# Altium PCB MB1936.PcbDoc (part 11 of 13)
Units mm, origin at the board's own origin, x right, y up, seen from the top; angles counter-clockwise.
Board outline 172 x 137 mm, 6 copper layers (Top Layer, Signal Layer 1, Signal Layer 2, Signal Layer 3, Signal Layer 4, Bottom Layer), stack 1.549 mm thick; 859 components, 672 nets, 3477 pads, 2222 vias.
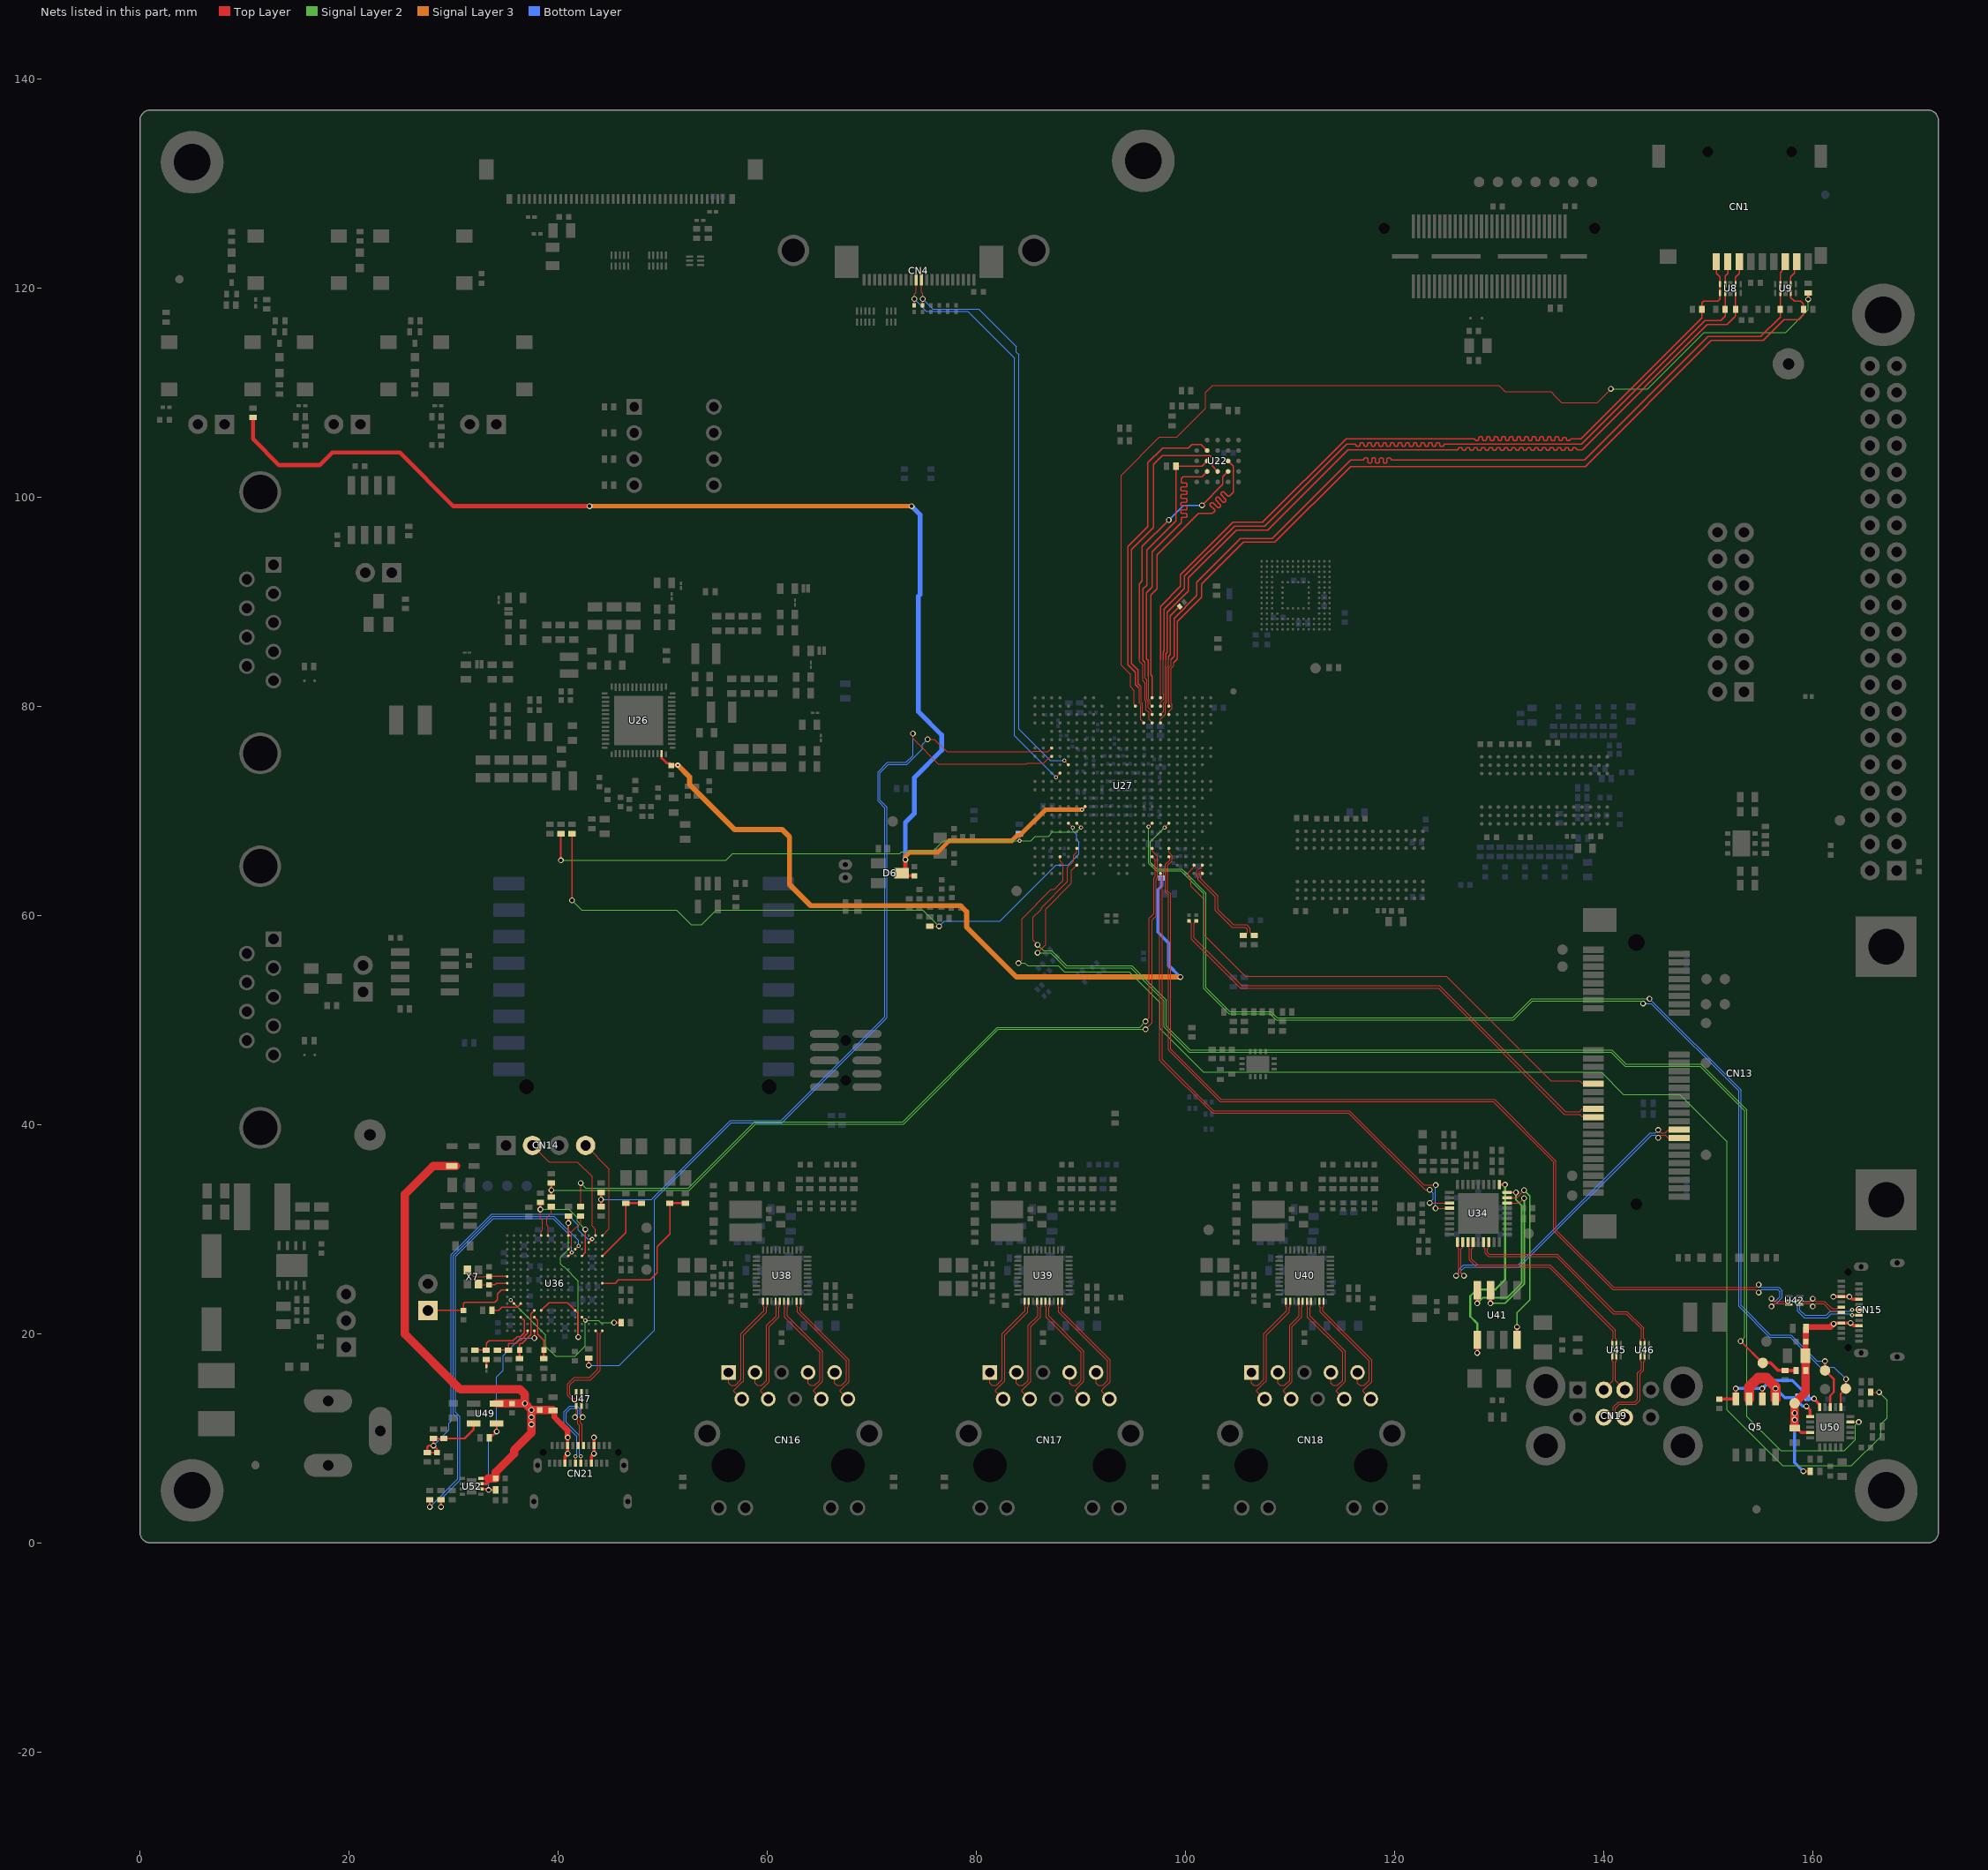
[diagram p15: the nets of this part, all layers, seen from the top]

## Via types
v1: diameter 0.55, hole 0.35, Top Layer to Bottom Layer, 1661 vias
v2: diameter 0.4, hole 0.2, Top Layer to Bottom Layer, tented both sides, 253 vias
v3: diameter 0.5, hole 0.2, Top Layer to Bottom Layer, 157 vias
v4: diameter 0.5, hole 0.25, Top Layer to Bottom Layer, 145 vias
v5: diameter 0.4, hole 0.2, Top Layer to Bottom Layer, 6 vias

## Nets (pads, with @x,y where several pads share a name; then routed paths per layer and width w, separated by ;. In a path a pad name is that pad's centre, name@x,y a point inside that pad or via, vN(x,y) a via of type N, cw(c..) or ccw(c..) an arc to the next point about the centre after c; other vN are vias at no path point) (continued)
PCIE.RX1_P: CN13.25 U27.AA20 | length 50.6
  Top Layer w0.09: U27.AA20@100.76,64.76 100.76,64.581 100.285,64.106 100.285,63.687 100.525,63.446 100.525,62.771 101.78,61.516 101.78,58.569 101.78,58.116 105.721,54.175 124.95,54.175 126.85,52.275 134.95,44.175 137.68,44.175 137.955,43.9 CN13.25@139,43.9
PCIE.TX1_N: C98.2 CN13.31 | length 46.9
  Top Layer w0.09: C98.2@101.025,59.45 100.8,59.225 100.8,58.84 100.8,57.825 105.35,53.275 124.275,53.275 136.325,41.225 137.68,41.225 137.918,41.463 138.963,41.463 CN13.31@139,41.5
PCIE.TX1_P: C97.2 CN13.33 | length 47.3
  Top Layer w0.09: C97.2@100.325,59.45 100.55,59.225 100.55,58.84 100.55,57.721 105.246,53.025 124.171,53.025 136.221,40.975 137.68,40.975 137.918,40.737 138.963,40.737 CN13.33@139,40.7
PCIE.USB_N: CN13.36 U34.1 | length 30.9
  Top Layer w0.1: v1(125.875,25.543) 125.918,25.543 126.14,25.765 126.14,28.11 126,28.25 U34.1@126,28.75 ; v1(145.2,39.475) 145.2,39.455 145.445,39.21 145.86,39.21 146.15,39.5 CN13.36@147.2,39.5
  Bottom Layer w0.1: v1(125.875,25.543) 126.14,25.808 126.14,26.106 126.609,26.575 131.82,26.575 144.455,39.21 144.935,39.21 v1(145.2,39.475)
PCIE.USB_P: CN13.38 U34.2 | length 30.5
  Top Layer w0.1: U34.2@126.5,28.75 126.5,28.25 126.36,28.11 126.36,25.765 126.582,25.543 v1(126.625,25.543) ; v1(145.2,38.725) 145.2,38.745 145.445,38.99 145.86,38.99 146.15,38.7 CN13.38@147.2,38.7
  Bottom Layer w0.1: v1(126.625,25.543) 126.36,25.808 126.36,26.015 126.7,26.355 129.75,26.355 131.175,26.355 131.911,26.355 144.546,38.99 144.935,38.99 v1(145.2,38.725)
PCIE_CLKOUT_N: R78.1 U27.AB21 | length 9.6
  Top Layer w0.09: U27.AB21@101.6,64 101.56,64.04 101.56,64.195 101.504,64.251 101.425,64.251 101.335,64.16 101.335,63.85 101.445,63.74 101.445,63.509 102,62.954 102.85,62.104 103.082,61.872 103.082,60.571 103.179,60.475 104.554,59.1 105.825,59.1 106.175,58.75 106.175,58.475 106.175,58.333 106.224,58.285 106.365,58.285 R78.1@106.575,58.075
PCIE_CLKOUT_P: R77.1 U27.AA21 | length 10
  Top Layer w0.09: U27.AA21@101.6,64.8 101.56,64.76 101.56,64.585 101.5,64.525 101.346,64.525 101.085,64.264 101.085,63.746 101.195,63.637 101.195,63.543 101.195,63.406 101.75,62.85 102.6,62 102.832,61.768 102.832,60.475 102.832,60.468 104.45,58.85 105.721,58.85 105.925,58.646 105.925,58.35 105.925,58.333 105.877,58.285 105.735,58.285 R77.1@105.525,58.075
PWR_CPU_ON: R60.1 R272.2 U27.T6 | length 54.9
  Top Layer w0.1: U27.T6@89.6,68.8 v2(90,68.4)
  Top Layer w0.15: v1(40.25,65.25) 40.25,67.775 R60.1@40.275,67.8
  Signal Layer 2 w0.1: v1(40.25,65.25) 56.041,65.25 56.691,65.9 72.665,65.9 72.838,66.073 75.798,66.073 76.85,67.125 81.172,67.125 v2(84.125,67.125) 85.182,67.125 85.623,67.566 86.891,67.566 87.275,67.95 89.55,67.95 v2(90,68.4)
  Bottom Layer w0.1: R272.2@84.1,67.8 84.125,67.775 v2(84.125,67.125)
PWR_ON: R61.1 R74.2 U27.T5 | length 64.1
  Top Layer w0.09: R74.2@75.55,58.95 v1(76.425,58.95)
  Top Layer w0.1: U27.T5@88.8,68.8 v2(89.2,68.4)
  Top Layer w0.15: v1(41.325,61.425) R61.1@41.325,67.8
  Signal Layer 2 w0.1: v1(41.325,61.425) 42.25,60.5 51.325,60.5 52.725,59.1 53.725,59.1 55.125,60.5 74.875,60.5 v1(76.425,58.95)
  Bottom Layer w0.1: v1(76.425,58.95) 76.925,59.45 82.251,59.45 83.276,60.475 87.601,64.8 88.761,64.8 89.805,65.844 89.805,67.006 89.6,67.211 89.6,67.696 89.2,68.095 v2(89.2,68.4)
QSPI1.CLK: U22.B2 U27.D14 | length 32.9
  Top Layer w0.09: 95.44,81.81 95.585,81.665 95.585,80.308 95.69,80.203 95.69,78.71 U27.D14@96,78.4
  Top Layer w0.11: 95.44,81.81 95.2,82.05 95.2,83.25 94.475,83.975 94.475,95.25 96.4,97.175 96.4,103.275 97.8,104.675 100.25,104.675 100.6,105.025 101.482,105.025 U22.B2@102.066,104.441
QSPI1.IO0: U22.D3 U27.C14 | length 32.8
  Top Layer w0.09: 95.63,81.97 95.765,81.835 95.765,80.383 95.87,80.278 95.87,79.361 96,79.231 U27.C14@96,79.2
  Top Layer w0.11: 95.63,81.97 95.45,82.15 95.45,83.468 94.825,84.093 94.825,84.475 94.825,94.975 96.925,97.075 96.925,103.107 97.768,103.95 102.35,103.95 102.575,103.725 102.575,102.932 U22.D3@103.066,102.441
QSPI1.IO1: U22.D2 U27.B15 | length 31
  Top Layer w0.09: 96.405,82.82 96.485,82.74 96.485,80.681 96.59,80.576 96.59,80.225 96.8,80.015 U27.B15@96.8,80
  Top Layer w0.11: 96.405,82.82 96.405,84.395 96.271,84.529 96.271,90.846 96.825,91.4 96.825,94.775 99.575,97.525 99.575,97.54 99.575,97.959 99.666,98.05 100.064,98.05 100.155,98.141 100.155,98.323 100.064,98.414 99.645,98.414 99.554,98.505 99.554,98.687 99.645,98.778 100.064,98.778 100.155,98.869 100.155,99.051 100.064,99.142 99.645,99.142 99.554,99.233 99.554,99.415 99.645,99.506 100.064,99.506 100.155,99.597 100.155,99.779 100.064,99.87 99.645,99.87 99.554,99.961 99.554,100.143 99.645,100.234 100.064,100.234 100.155,100.325 100.155,100.507 100.064,100.598 99.645,100.598 99.554,100.689 99.554,100.871 99.645,100.962 100.064,100.962 100.155,101.053 100.155,101.235 100.064,101.326 99.666,101.326 99.575,101.417 99.575,101.55 99.575,101.75 99.775,101.95 101.575,101.95 U22.D2@102.066,102.441
QSPI1.IO2: U22.C4 U27.A15 | length 31.3
  Top Layer w0.11: U27.A15@96.8,80.8 96.8,82.85 96.68,82.97 96.68,90.63 97.275,91.225 97.275,94.45 101.25,98.425 102.55,98.425 102.737,98.612 102.776,98.651 102.776,98.78 102.351,99.206 102.351,99.334 102.479,99.463 102.608,99.463 103.083,98.988 103.212,98.988 103.34,99.117 103.34,99.246 102.866,99.721 102.866,99.849 102.994,99.978 103.123,99.978 103.598,99.503 103.726,99.503 103.855,99.632 103.855,99.761 103.38,100.235 103.38,100.364 103.509,100.493 103.638,100.493 104.063,100.067 104.192,100.067 104.563,100.438 104.575,100.45 104.575,102.932 U22.C4@104.066,103.441
QSPI1.IO3: U22.D4 U27.D15 | length 29.1
  Top Layer w0.09: 95.9,82.425 96.125,82.2 96.125,80.532 96.23,80.427 96.23,79.663 96.49,79.403 96.49,78.8 96.49,78.71 U27.D15@96.8,78.4
  Top Layer w0.1: 95.575,84.475 95.575,84.3 95.9,83.975 95.9,82.425
  Top Layer w0.11: 95.575,84.475 95.575,91.689 95.85,91.964 95.85,95.25 v1@98.399,97.799 ; v1(101.575,99.2) 103.575,101.2 103.575,101.95 U22.D4@104.066,102.441
  Bottom Layer w0.11: v1(98.4,97.8) 99.8,99.2 v1(101.575,99.2)
QSPI1.NCS1: R33.1 U22.C2 U27.C15 | length 28.6
  Top Layer w0.09: 96.125,82.675 96.305,82.495 96.305,80.606 96.41,80.501 96.41,79.866 96.781,79.495 96.781,79.219 U27.C15@96.8,79.2
  Top Layer w0.1: 96.125,82.675 96.125,84.18
  Top Layer w0.11: 96.125,84.18 95.925,84.38 95.925,84.641 95.925,91.2 96.3,91.575 96.3,94.925 99.084,97.709 R33.1@99.084,102.95 101.575,102.95 U22.C2@102.066,103.441
RJ451_D1_N: CN17.2 U39.2 | length 11
  Top Layer w0.09: CN17.2@82.555,13.75 81.825,14.48 81.825,14.6 82.369,15.144 82.496,15.271 82.725,15.5 82.725,19.875 84.925,22.075 84.925,22.55 85,22.625 U39.2@85,23.1
RJ451_D1_P: CN17.1 U39.1 | length 11
  Top Layer w0.09: CN17.1@81.285,16.29 81.285,15.265 81.5,15.05 81.921,15.05 82.392,15.521 82.475,15.604 82.475,19.979 84.675,22.179 84.675,22.55 84.6,22.625 U39.1@84.6,23.1
RJ451_D2_N: CN17.4 U39.5 | length 10.4
  Top Layer w0.09: CN17.4@85.095,13.75 84.365,14.48 84.365,14.6 84.909,15.144 85.036,15.271 85.182,15.417 85.2,15.435 85.2,20.675 86.125,21.6 86.125,22.55 86.2,22.625 U39.5@86.2,23.1
RJ451_D2_P: CN17.3 U39.4 | length 10.4
  Top Layer w0.09: CN17.3@83.825,16.29 83.825,15.265 84.04,15.05 84.461,15.05 84.95,15.539 84.95,20.779 85.875,21.704 85.875,22.55 85.8,22.625 U39.4@85.8,23.1
RJ451_D3_N: CN17.8 U39.7 | length 11.4
  Top Layer w0.09: U39.7@87,23.1 87,22.625 86.925,22.55 86.925,21.679 90.275,18.329 90.275,15.43 89.989,15.144 89.445,14.6 89.445,14.48 CN17.8@90.175,13.75
RJ451_D3_P: CN17.7 U39.6 | length 11.4
  Top Layer w0.09: U39.6@86.6,23.1 86.6,22.625 86.675,22.55 86.675,21.575 90.025,18.225 90.025,15.534 89.541,15.05 89.12,15.05 88.905,15.265 CN17.7@88.905,16.29
RJ451_D4_N: CN17.10 U39.10 | length 12
  Top Layer w0.09: U39.10@88.2,23.1 88.2,22.625 88.125,22.55 88.125,22.154 91.625,18.654 92.802,17.476 92.802,15.417 92.221,14.836 91.985,14.6 91.985,14.48 CN17.10@92.715,13.75
RJ451_D4_P: CN17.9 U39.9 | length 12
  Top Layer w0.09: U39.9@87.8,23.1 87.8,22.625 87.875,22.55 87.875,22.05 92.552,17.373 92.552,15.521 92.081,15.05 91.66,15.05 91.445,15.265 CN17.9@91.445,16.29
RJ452_D1_N: CN16.2 U38.2 | length 11
  Top Layer w0.09: CN16.2@57.555,13.75 56.825,14.48 56.825,14.6 57.369,15.144 57.496,15.271 57.725,15.5 57.725,19.875 59.925,22.075 59.925,22.55 60,22.625 U38.2@60,23.1
RJ452_D1_P: CN16.1 U38.1 | length 11
  Top Layer w0.09: CN16.1@56.285,16.29 56.285,15.265 56.5,15.05 56.921,15.05 57.392,15.521 57.475,15.604 57.475,19.979 59.675,22.179 59.675,22.55 59.6,22.625 U38.1@59.6,23.1
RJ452_D2_N: CN16.4 U38.5 | length 10.4
  Top Layer w0.09: CN16.4@60.095,13.75 59.365,14.48 59.365,14.6 59.909,15.144 60.036,15.271 60.182,15.417 60.2,15.435 60.2,20.675 61.125,21.6 61.125,22.55 61.2,22.625 U38.5@61.2,23.1
RJ452_D2_P: CN16.3 U38.4 | length 10.4
  Top Layer w0.09: CN16.3@58.825,16.29 58.825,15.265 59.04,15.05 59.461,15.05 59.95,15.539 59.95,20.779 60.875,21.704 60.875,22.55 60.8,22.625 U38.4@60.8,23.1
RJ452_D3_N: CN16.8 U38.7 | length 11.4
  Top Layer w0.09: U38.7@62,23.1 62,22.625 61.925,22.55 61.925,21.679 65.275,18.329 65.275,15.43 64.989,15.144 64.445,14.6 64.445,14.48 CN16.8@65.175,13.75
RJ452_D3_P: CN16.7 U38.6 | length 11.4
  Top Layer w0.09: U38.6@61.6,23.1 61.6,22.625 61.675,22.55 61.675,21.575 65.025,18.225 65.025,15.534 64.541,15.05 64.12,15.05 63.905,15.265 CN16.7@63.905,16.29
RJ452_D4_N: CN16.10 U38.10 | length 12
  Top Layer w0.09: U38.10@63.2,23.1 63.2,22.625 63.125,22.55 63.125,22.154 66.625,18.654 67.802,17.476 67.802,15.417 67.221,14.836 66.985,14.6 66.985,14.48 CN16.10@67.715,13.75
RJ452_D4_P: CN16.9 U38.9 | length 12
  Top Layer w0.09: U38.9@62.8,23.1 62.8,22.625 62.875,22.55 62.875,22.05 67.552,17.373 67.552,15.521 67.081,15.05 66.66,15.05 66.445,15.265 CN16.9@66.445,16.29
RJ453_D1_N: CN18.2 U40.2 | length 11
  Top Layer w0.09: CN18.2@107.555,13.75 106.825,14.48 106.825,14.6 107.369,15.144 107.496,15.271 107.725,15.5 107.725,19.875 109.925,22.075 109.925,22.55 110,22.625 U40.2@110,23.1
RJ453_D1_P: CN18.1 U40.1 | length 11
  Top Layer w0.09: CN18.1@106.285,16.29 106.285,15.265 106.5,15.05 106.921,15.05 107.392,15.521 107.475,15.604 107.475,19.979 109.675,22.179 109.675,22.55 109.6,22.625 U40.1@109.6,23.1
RJ453_D2_N: CN18.4 U40.5 | length 10.4
  Top Layer w0.09: CN18.4@110.095,13.75 109.365,14.48 109.365,14.6 109.909,15.144 110.036,15.271 110.182,15.417 110.2,15.435 110.2,20.675 111.125,21.6 111.125,22.55 111.2,22.625 U40.5@111.2,23.1
RJ453_D2_P: CN18.3 U40.4 | length 10.4
  Top Layer w0.09: CN18.3@108.825,16.29 108.825,15.265 109.04,15.05 109.461,15.05 109.95,15.539 109.95,20.779 110.875,21.704 110.875,22.55 110.8,22.625 U40.4@110.8,23.1
RJ453_D3_N: CN18.8 U40.7 | length 11.4
  Top Layer w0.09: U40.7@112,23.1 112,22.625 111.925,22.55 111.925,21.679 115.275,18.329 115.275,15.43 114.989,15.144 114.445,14.6 114.445,14.48 CN18.8@115.175,13.75
RJ453_D3_P: CN18.7 U40.6 | length 11.4
  Top Layer w0.09: U40.6@111.6,23.1 111.6,22.625 111.675,22.55 111.675,21.575 115.025,18.225 115.025,15.534 114.541,15.05 114.12,15.05 113.905,15.265 CN18.7@113.905,16.29
RJ453_D4_N: CN18.10 U40.10 | length 12
  Top Layer w0.09: U40.10@113.2,23.1 113.2,22.625 113.125,22.55 113.125,22.154 116.625,18.654 117.802,17.476 117.802,15.417 117.221,14.836 116.985,14.6 116.985,14.48 CN18.10@117.715,13.75
RJ453_D4_P: CN18.9 U40.9 | length 12
  Top Layer w0.09: U40.9@112.8,23.1 112.8,22.625 112.875,22.55 112.875,22.05 117.552,17.373 117.552,15.521 117.081,15.05 116.66,15.05 116.445,15.265 CN18.9@116.445,16.29
SD.SDMMC1_CK: R247.1 U27.D16 | length 11.9
  Top Layer w0.09: 97.6,78.762 98.09,79.252 98.09,80.244 98.245,80.399 98.245,83.761 98.369,83.885 98.369,84.475
  Top Layer w0.1: U27.D16@97.6,78.4 97.6,78.762
  Top Layer w0.11: 98.369,84.475 98.369,84.744 98.55,84.925 98.55,88.65 R247.1@99.438,89.538
SD.SDMMC1_CMD: CN1.3 R12.1 U8.4 U8.7 U27.C16 | length 86.1
  Top Layer w0.09: U27.C16@97.6,79.2 97.91,79.51 97.91,80.319 98.065,80.474 98.065,83.836 98.115,83.886 98.115,84.475
  Top Layer w0.11: 98.115,84.475 98.115,85.015 98.237,85.138 98.237,88.962 100.285,91.01 100.285,92.26 104.846,96.82 107.845,96.82 115.525,104.5 125.946,104.5 126.001,104.5 126.092,104.591 126.092,104.614 126.183,104.705 126.365,104.705 126.456,104.614 126.456,104.567 126.547,104.476 126.729,104.476 126.82,104.567 126.82,104.614 126.911,104.705 127.093,104.705 127.184,104.614 127.184,104.567 127.275,104.476 127.457,104.476 127.548,104.567 127.548,104.614 127.639,104.705 127.821,104.705 127.912,104.614 127.912,104.567 128.003,104.476 128.185,104.476 128.276,104.567 128.276,104.614 128.367,104.705 128.549,104.705 128.64,104.614 128.64,104.567 128.731,104.476 128.913,104.476 129.004,104.567 129.004,104.614 129.095,104.705 129.277,104.705 129.368,104.614 129.368,104.567 129.459,104.476 129.641,104.476 129.732,104.567 129.732,104.614 129.823,104.705 130.005,104.705 130.096,104.614 130.096,104.567 130.187,104.476 130.369,104.476 130.46,104.567 130.46,104.614 130.551,104.705 130.733,104.705 130.824,104.614 130.824,104.567 130.915,104.476 131.097,104.476 131.188,104.567 131.188,104.614 131.279,104.705 131.461,104.705 131.552,104.614 131.552,104.567 131.643,104.476 131.825,104.476 131.916,104.567 131.916,104.614 132.007,104.705 132.189,104.705 132.28,104.614 132.28,104.567 132.371,104.476 132.553,104.476 132.644,104.567 132.644,104.614 132.735,104.705 132.917,104.705 133.008,104.614 133.008,104.567 133.099,104.476 133.281,104.476 133.372,104.567 133.372,104.614 133.463,104.705 133.645,104.705 133.736,104.614 133.736,104.567 133.827,104.476 134.009,104.476 134.1,104.567 134.1,104.614 134.191,104.705 134.373,104.705 134.464,104.614 134.464,104.567 134.555,104.476 134.737,104.476 134.828,104.567 134.828,104.614 134.919,104.705 135.101,104.705 135.192,104.614 135.192,104.567 135.283,104.476 135.465,104.476 135.556,104.567 135.556,104.614 135.647,104.705 135.829,104.705 135.92,104.614 135.92,104.567 136.011,104.476 136.193,104.476 136.284,104.567 136.284,104.614 136.375,104.705 136.557,104.705 136.648,104.614 136.648,104.567 136.739,104.476 136.921,104.476 137.012,104.567 137.012,104.611 137.103,104.702 137.285,104.702 137.376,104.611 137.376,104.591 137.467,104.5 137.7,104.5 137.925,104.5 149.9,116.475 151.8,116.475 152.6,117.275 R12.1@152.6,117.95 U8.4@152.6,119.52 U8.7@152.6,120.34 152.6,121.02 152.95,121.37 CN1.3@152.95,122.5
SD.SDMMC1_D0: CN1.7 R14.1 U9.2 U9.9 U27.B17 | length 87.4
  Top Layer w0.09: U27.B17@98.4,80 98.4,80.3 98.425,80.325 98.425,83.687 98.623,83.885 98.623,84.473
  Top Layer w0.11: 98.625,84.475 98.9,84.75 98.9,88.4 101.081,90.581 101.081,91.856 105.25,96.025 108.3,96.025 115.8,103.525 116.913,103.525 116.968,103.525 117.077,103.634 117.077,103.649 117.186,103.758 117.332,103.758 117.441,103.649 117.441,103.331 117.55,103.222 117.696,103.222 117.805,103.331 117.805,103.649 117.914,103.758 118.06,103.758 118.169,103.649 118.169,103.331 118.278,103.222 118.424,103.222 118.533,103.331 118.533,103.649 118.642,103.758 118.788,103.758 118.897,103.649 118.897,103.331 119.006,103.222 119.152,103.222 119.261,103.331 119.261,103.649 119.37,103.758 119.516,103.758 119.625,103.649 119.625,103.634 119.734,103.525 120.062,103.525 138.15,103.525 149.975,115.35 155.005,115.35 156.875,117.22 R14.1@156.875,117.95 U9.2@156.875,119.52 U9.9@156.875,120.34 156.875,121.425 157.068,121.618 157.068,122.218 CN1.7@157.35,122.5
SD.SDMMC1_D1: CN1.8 R15.1 U9.4 U9.7 U27.C17 | length 88.3
  Top Layer w0.09: U27.C17@98.4,79.2 98.4,79.5 98.685,79.785 98.685,80.156 98.605,80.236 98.605,83.612 98.877,83.884 98.877,84.18
  Top Layer w0.11: 98.877,84.18 99.225,84.527 99.225,88.1 101.525,90.4 101.525,91.675 105.55,95.7 108.55,95.7 115.775,102.925 138.225,102.925 150.275,114.975 155.25,114.975 157.225,116.95 158.65,116.95 159.1,117.4 R15.1@159.1,117.95 159.1,118.47 158.845,118.725 158.225,118.725 157.875,119.075 U9.4@157.875,119.52 U9.7@157.875,120.34 157.875,121.045 158.25,121.42 158.25,122.3 CN1.8@158.45,122.5
SD.SDMMC1_D2: CN1.1 R10.1 U8.1 U8.10 U27.A16 | length 86.1
  Top Layer w0.09: U27.A16@97.6,80.8 97.6,84.475
  Top Layer w0.11: 97.6,84.475 97.6,89.525 99.525,91.45 99.525,92.575 104.531,97.581 107.356,97.581 115.35,105.575 127.17,105.575 127.589,105.575 127.68,105.484 127.68,105.471 127.771,105.38 127.953,105.38 128.044,105.471 128.044,105.665 128.135,105.756 128.317,105.756 128.408,105.665 128.408,105.471 128.499,105.38 128.681,105.38 128.772,105.471 128.772,105.665 128.863,105.756 129.045,105.756 129.136,105.665 129.136,105.471 129.227,105.38 129.409,105.38 129.5,105.471 129.5,105.665 129.591,105.756 129.773,105.756 129.864,105.665 129.864,105.471 129.955,105.38 130.137,105.38 130.228,105.471 130.228,105.665 130.319,105.756 130.501,105.756 130.592,105.665 130.592,105.471 130.683,105.38 130.865,105.38 130.956,105.471 130.956,105.665 131.047,105.756 131.229,105.756 131.32,105.665 131.32,105.471 131.411,105.38 131.593,105.38 131.684,105.471 131.684,105.665 131.775,105.756 131.957,105.756 132.048,105.665 132.048,105.471 132.139,105.38 132.321,105.38 132.412,105.471 132.412,105.665 132.503,105.756 132.685,105.756 132.776,105.665 132.776,105.471 132.867,105.38 133.049,105.38 133.14,105.471 133.14,105.665 133.231,105.756 133.413,105.756 133.504,105.665 133.504,105.471 133.595,105.38 133.777,105.38 133.868,105.471 133.868,105.665 133.959,105.756 134.141,105.756 134.232,105.665 134.232,105.471 134.323,105.38 134.505,105.38 134.596,105.471 134.596,105.665 134.687,105.756 134.869,105.756 134.96,105.665 134.96,105.471 135.051,105.38 135.233,105.38 135.324,105.471 135.324,105.665 135.415,105.756 135.597,105.756 135.688,105.665 135.688,105.471 135.779,105.38 135.961,105.38 136.052,105.471 136.052,105.588 136.143,105.679 136.325,105.679 136.416,105.588 136.416,105.484 136.507,105.393 136.689,105.393 136.78,105.484 136.871,105.575 137.65,105.575 137.825,105.575 149.375,117.125 R10.1@149.375,117.95 149.375,118.55 149.55,118.725 150.885,118.725 151.1,118.94 U8.1@151.1,119.52 U8.10@151.1,120.34 151.1,121.04 150.75,121.39 CN1.1@150.75,122.5